# Altium PCB jetson_xavier_nx_board.PcbDoc (part 5 of 6)
Units mil, origin at the board's own origin, x right, y up, seen from the top; angles counter-clockwise.
Board outline 3946.89 x 2559.58 mil, 6 copper layers (TOP, L2_GND, L3_PWR, L4_SIG, L5_GND, BOTTOM), stack 47.2 mil thick; 346 components, 315 nets, 1402 pads, 1004 vias.
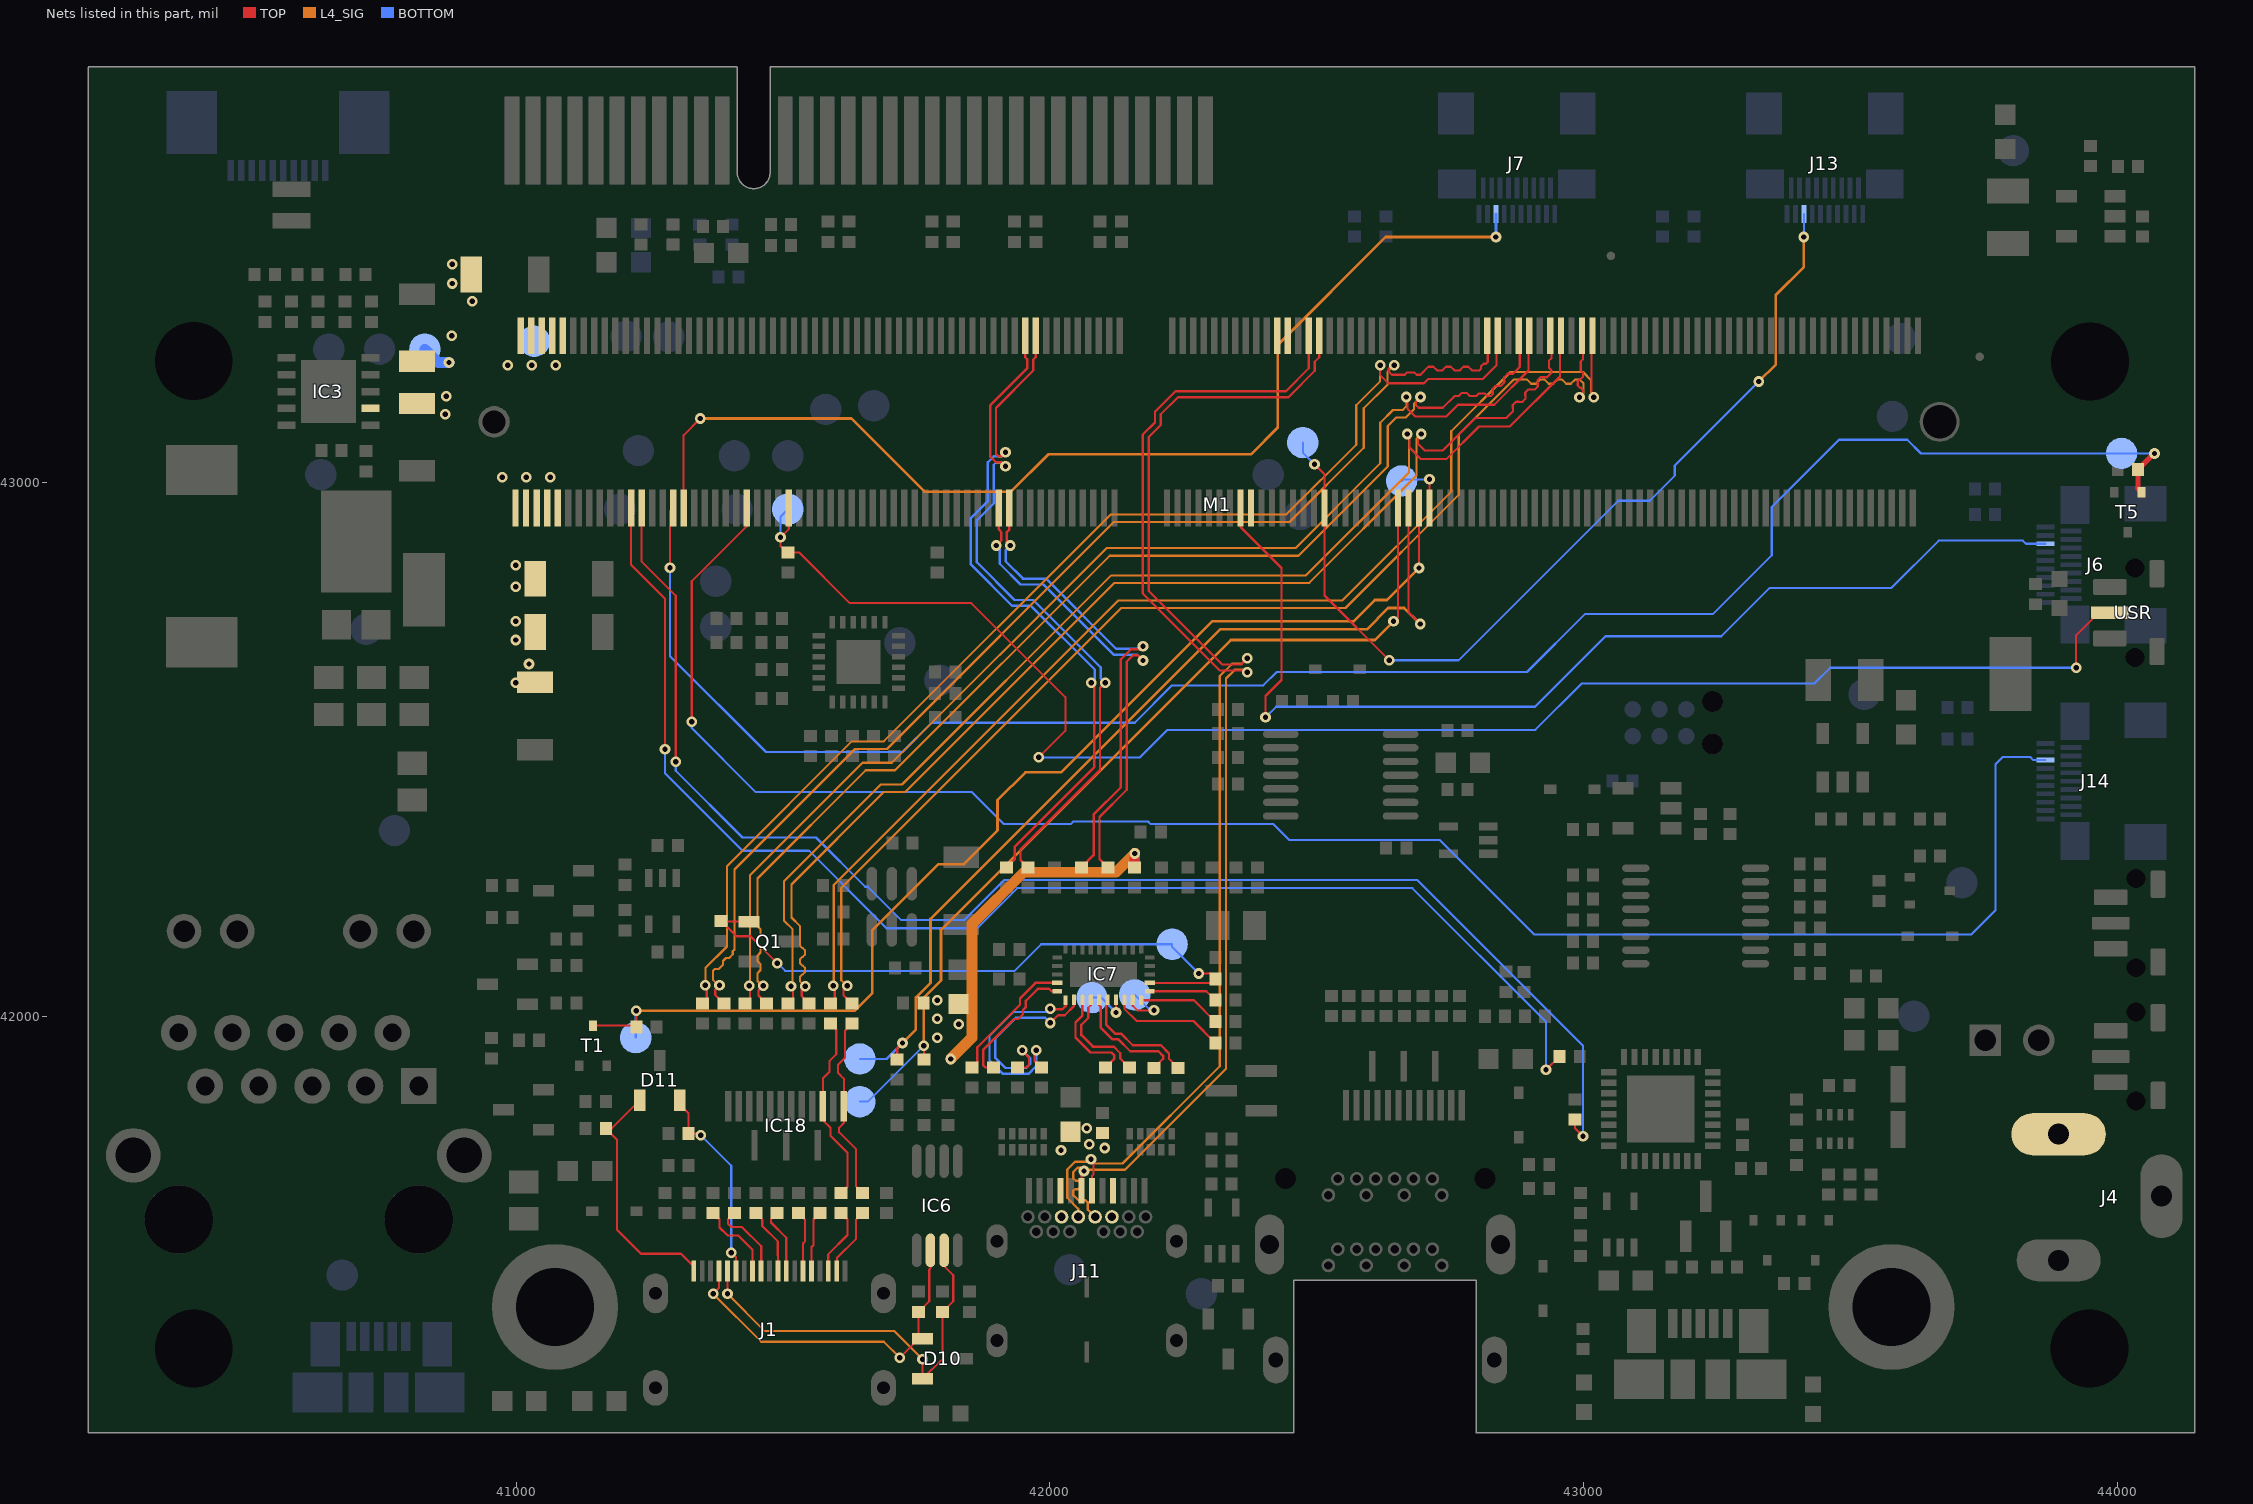
[diagram p9: the nets of this part, all layers, seen from the top]

## Via types
v1: diameter 20, hole 10, TOP to BOTTOM, 999 vias
v2: diameter 23.62, hole 9.84, TOP to BOTTOM, 5 vias

## Nets (pads, with @x,y where several pads share a name; then routed paths per layer and width w, separated by ;. In a path a pad name is that pad's centre, name@x,y a point inside that pad or via, vN(x,y) a via of type N, cw(c..) or ccw(c..) an arc to the next point about the centre after c; other vN are vias at no path point) (continued)
TMDS_C1_D2_N: C74.2 IC18.3 R2.1 | length 356.3
  TOP w4.1: C74.2@41588.82,41986.57 41599.72,41975.67 41599.72,41929.14 41586.72,41916.14 41586.72,41895.89 41574.52,41883.69 IC18.3@41574.52,41831.7 41574.52,41805.77 41588.82,41791.47 41588.82,41776.47 41620.77,41744.52 41620.77,41681.32 R2.1@41608.82,41669.37
TMDS_C1_D2_P: C73.2 IC18.1 R1.1 | length 354.5
  TOP w4: 41604.92,41791.56 41613.89,41800.53 IC18.1@41613.89,41805.06
  TOP w4.1: 41604.92,41791.56 41604.92,41783.14 41636.87,41751.19 41636.87,41681.32 R1.1@41648.82,41669.37 ; IC18.1@41613.89,41805.06 IC18.1@41613.89,41831.7 41613.89,41883.4 41602.82,41894.47 41602.82,41909.47 41615.82,41922.47 41615.82,41973.57 C73.2@41628.82,41986.57
TMDS_CEC: M1.94 TP26.1 | length 107.5
  TOP w4: M1.94@42711.33,42952.76 v1(42711.33,43006.47)
  BOTTOM w4: TP26.1@42658.82,43003.47 42661.82,43006.47 v1(42711.33,43006.47)
TMDS_CEC_IN: D11.2 J1.14 R37.1 | length 375.8
  TOP w4: D11.2@41306.22,41843.07 41306.22,41835.07 41322.72,41818.57 R37.1@41322.72,41780.47 41342.82,41780.47 v1(41345.82,41777.47) ; v1(41402.82,41557.47) 41411.45,41548.84 J1.14@41411.45,41522.68
  BOTTOM w4: v1(41345.82,41777.47) 41402.82,41720.47 v1(41402.82,41557.47)
TMDS_CLK_C_N: J1.12 R10.2 | length 151.3
  TOP w4.1: R10.2@41368.82,41631.57 41380.77,41619.62 41380.77,41604.8 41396.1,41589.47 41416.06,41589.47 41442.82,41562.71 41442.82,41552.19 41442.94,41552.07 J1.12@41442.95,41522.68
TMDS_CLK_C_P: J1.11 R9.2 | length 151.4
  TOP w4.1: R9.2@41408.82,41631.57 41396.87,41619.62 41396.87,41611.47 41402.77,41605.57 41422.73,41605.57 41458.92,41569.38 41458.92,41558.86 41459.04,41558.74 41459.04,41523.03 J1.11@41458.69,41522.68
TMDS_CLK_N: C80.1 M1.81 | length 2265.5
  TOP w4.1: C80.1@41348.82,42024.38 41356.82,42032.38 41356.82,42055.97 v1(41354.32,42058.47) ; v1(42618.62,43220.47) 42618.72,43220.37 42618.72,43201.8 42634.05,43186.47 42700.81,43186.47 42708.71,43194.37 42810.95,43194.37 42836.48,43219.9 42836.48,43272.78 M1.81@42839.29,43275.59
  L4_SIG w4.1: v1(41354.32,42058.47) 41354.32,42090.92 41394.72,42131.32 41394.72,42281.37 41628.82,42515.47 41688.83,42515.47 42113.93,42940.57 42442.93,42940.57 42573.82,43071.46 42573.82,43145.43 42618.62,43190.23 v1(42618.62,43220.47)
TMDS_CLK_P: C78.1 M1.83 | length 2265.8
  TOP w4.1: v1(41380.82,42058.47) 41372.92,42050.57 41372.92,42040.27 C78.1@41388.82,42024.37 ; v1(42645.12,43220.47) 42641.02,43220.47 42634.82,43214.27 42634.82,43208.47 42640.72,43202.57 42664.73,43202.57 42668.63,43206.47 42683.13,43206.47 42687.03,43202.57 42694.14,43202.57 42709.04,43217.47 42718.44,43217.47 42725.44,43210.47 42734.84,43210.47 42741.84,43217.47 42751.24,43217.47 42758.24,43210.47 42767.64,43210.47 42774.64,43217.47 42784.04,43217.47 42791.04,43210.47 42804.28,43210.47 42807.55,43213.74 42807.55,43218.2 42812.59,43223.24 42817.05,43223.24 42820.38,43226.57 42820.38,43274.81 M1.83@42819.6,43275.59
  L4_SIG w4.1: v1(41380.82,42058.47) 41378.82,42058.47 41368.42,42068.87 41368.42,42085.07 41372.18,42088.83 41379.18,42088.83 41387.28,42096.93 41387.28,42103.93 41392.82,42109.47 41398.82,42109.47 41405.78,42116.43 41405.78,42122.43 41408.82,42125.47 41408.82,42275.52 41634.67,42501.37 41694.68,42501.37 42119.78,42926.47 42448.78,42926.47 42587.92,43065.61 42587.92,43139.58 42632.72,43184.38 42632.72,43208.07 v1(42645.12,43220.47)
TMDS_D0_C_N: J1.9 R8.2 | length 126
  TOP w4.1: R8.2@41448.83,41631.57 41461.07,41619.33 41461.07,41607.45 41489.84,41578.68 41489.84,41552.42 41490.19,41552.07 J1.9@41490.19,41522.68
TMDS_D0_C_P: J1.8 R7.2 | length 125.6
  TOP w4.1: R7.2@41488.82,41631.57 41477.17,41619.92 41477.17,41614.12 41505.94,41585.35 J1.8@41505.94,41522.68
TMDS_D0_N: C79.1 M1.75 | length 2258.1
  TOP w4.1: C79.1@41428.82,42024.37 41437.82,42033.37 41437.82,42055.97 v1(41436.32,42057.47) ; v1(42667.87,43160.82) 42669.82,43158.87 42669.82,43138.91 42684.36,43124.37 42742.72,43124.37 42764.72,43146.37 42832.49,43146.37 42896.55,43210.43 42896.55,43273.8 M1.75@42898.34,43275.59
  L4_SIG w4.1: v1(41436.32,42057.47) 41437.82,42058.97 41437.82,42264.47 41648.82,42475.47 41703.83,42475.47 42105.93,42877.57 42459.96,42877.57 42618.82,43036.43 42618.82,43112.47 42642.82,43136.47 42660.87,43136.47 42667.87,43143.47 v1(42667.87,43160.82)
TMDS_D0_P: C76.1 M1.77 | length 2258.7
  TOP w4.1: v1(41462.82,42057.47) 41453.92,42048.57 41453.92,42039.27 C76.1@41468.82,42024.37 ; v1(42694.37,43160.82) 42685.92,43152.37 42685.92,43145.58 42691.03,43140.47 42736.05,43140.47 42758.05,43162.47 42765.52,43162.47 42771.52,43168.47 42780.92,43168.47 42786.92,43162.47 42798.32,43162.47 42803.32,43167.47 42814.72,43167.47 42819.72,43162.47 42825.82,43162.47 42829.82,43166.47 42829.82,43176.47 42834.57,43181.22 42844.57,43181.22 42851.17,43187.82 42851.17,43197.82 42857.77,43204.42 42867.77,43204.42 42880.45,43217.1 42880.45,43273.8 M1.77@42878.66,43275.59
  L4_SIG w4.1: v1(41462.82,42057.47) 41460.82,42057.47 41451.92,42066.37 41451.92,42081.29 41457.82,42087.19 41457.82,42097.69 41451.92,42103.59 41451.92,42114.09 41457.82,42119.99 41457.82,42130.49 41451.92,42136.39 41451.92,42146.89 41457.82,42152.79 41457.82,42163.29 41451.92,42169.19 41451.92,42258.62 41654.67,42461.37 41709.68,42461.37 42111.78,42863.47 42465.81,42863.47 42632.92,43030.58 42632.92,43106.62 42648.67,43122.37 42666.72,43122.37 42681.97,43137.62 42681.97,43148.42 v1(42694.37,43160.82)
TMDS_D1_C_N: J1.6 R4.2 | length 115.3
  TOP w4.1: R4.2@41528.82,41631.57 41540.77,41619.62 41540.77,41578.19 41537.31,41574.73 41537.31,41552.19 41537.43,41552.07 J1.6@41537.43,41522.68
TMDS_D1_C_P: J1.5 R3.2 | length 115.4
  TOP w4.1: J1.5@41553.18,41522.68 41553.18,41552.06 41553.31,41552.19 41553.31,41567.96 41556.87,41571.52 41556.87,41619.62 R3.2@41568.82,41631.57
TMDS_D1_N: C77.1 M1.69 | length 2263.8
  TOP w4.1: C77.1@41508.82,42024.38 41518.72,42034.28 41518.72,42053.07 v1(41514.82,42056.97) ; v1(42669.32,43091.47) 42673.72,43087.07 42673.72,43066 42695.35,43044.37 42742.72,43044.37 42803.82,43105.47 42861.82,43105.47 42955.6,43199.25 42955.6,43273.79 M1.69@42957.4,43275.59
  L4_SIG w4.1: v1(41514.82,42056.97) 41517.82,42059.97 41517.82,42163.48 41501.72,42179.58 41501.72,42253.32 41682.97,42434.57 41722.93,42434.57 42114.93,42826.57 42479.93,42826.57 42672.82,43019.46 42672.82,43087.97 v1(42669.32,43091.47)
TMDS_D1_P: C75.1 M1.71 | length 2262.7
  TOP w4.1: v1(41541.32,42056.97) 41534.82,42050.5 41534.82,42038.37 C75.1@41548.82,42024.37 ; v1(42695.82,43091.47) 42689.82,43085.47 42689.82,43072.67 42702.02,43060.47 42736.05,43060.47 42797.15,43121.57 42855.15,43121.57 42867.6,43134.02 42867.6,43139.82 42867.29,43140.13 42867.28,43145.91 42873.09,43151.72 42878.89,43151.72 42879.2,43151.41 42885,43151.42 42890.8,43157.22 42890.8,43163.02 42890.49,43163.33 42890.48,43169.11 42896.29,43174.92 42902.09,43174.92 42902.4,43174.61 42908.2,43174.62 42914,43180.42 42914,43186.22 42913.69,43186.53 42913.68,43192.31 42919.49,43198.12 42925.29,43198.12 42925.6,43197.81 42931.4,43197.82 42939.5,43205.92 42939.5,43211.46 42934.82,43216.14 42934.82,43228.86 42939.5,43233.54 42939.5,43273.8 M1.71@42937.71,43275.59
  L4_SIG w4.1: v1(41541.32,42056.97) 41540.32,42056.97 41531.92,42065.37 41531.92,42074.78 41536.02,42078.88 41536.72,42078.88 41540.82,42082.98 41540.82,42091.18 41536.72,42095.28 41536.02,42095.28 41531.92,42099.38 41531.92,42107.58 41536.02,42111.68 41536.72,42111.68 41540.82,42115.78 41540.82,42123.98 41536.72,42128.08 41536.02,42128.08 41531.92,42132.18 41531.92,42169.33 41515.82,42185.43 41515.82,42247.47 41688.82,42420.47 41728.78,42420.47 42120.78,42812.47 42485.78,42812.47 42686.92,43013.61 42686.92,43082.57 v1(42695.82,43091.47)
TMDS_D2_C_N: J1.3 R2.2 | length 128.8
  TOP w4.1: J1.3@41584.68,41522.68 41584.68,41554.32 41620.77,41590.41 41620.77,41619.62 R2.2@41608.82,41631.57
TMDS_D2_C_P: J1.2 R1.2 | length 128.9
  TOP w4.1: J1.2@41600.43,41522.68 41600.78,41523.04 41600.78,41547.65 41636.87,41583.74 41636.87,41619.62 R1.2@41648.82,41631.57
TMDS_D2_N: C74.1 M1.63 | length 2268.1
  TOP w4.1: C74.1@41588.82,42024.37 41596.82,42032.37 41596.82,42054.47 v1(41593.82,42057.47) ; M1.63@43016.45,43275.59 43014.71,43273.85 43014.71,43166.76 43014.66,43166.71 43014.66,43164.63 v1(43018.82,43160.47)
  L4_SIG w4.1: v1(41593.82,42057.47) 41594.82,42058.47 41594.82,42246.46 42127.93,42779.57 42547.97,42779.57 42751.82,42983.42 42751.82,43096.46 42862.83,43207.47 42998.66,43207.47 43013.82,43192.31 43013.82,43165.47 v1(43018.82,43160.47)
TMDS_D2_P: C73.1 M1.65 | length 2266.3
  TOP w4.1: v1(41620.32,42057.47) 41612.92,42050.07 41612.92,42040.27 C73.1@41628.82,42024.37 ; v1(42992.32,43160.47) 42998.61,43166.76 42998.61,43174.05 42994.51,43178.15 42992.92,43178.15 42988.82,43182.25 42988.82,43190.45 42992.92,43194.55 42994.51,43194.55 42998.61,43198.65 42998.61,43206.85 42994.51,43210.95 42994.51,43227.35 42998.61,43231.45 42998.61,43273.75 M1.65@42996.77,43275.59
  L4_SIG w4.1: v1(41620.32,42057.47) 41619.32,42057.47 41608.92,42067.87 41608.92,42240.61 42133.78,42765.47 42553.82,42765.47 42765.92,42977.57 42765.92,43090.61 42868.68,43193.37 42894.09,43193.37 42901.99,43185.47 42910.49,43185.47 42918.39,43193.37 42926.89,43193.37 42934.79,43185.47 42943.29,43185.47 42951.19,43193.37 42959.69,43193.37 42967.59,43185.47 42976.09,43185.47 42983.99,43193.37 42992.81,43193.37 42999.72,43186.46 42999.72,43167.87 v1(42992.32,43160.47)
TMDS_HPD: M1.96 R81.2 T1.3 TP25.1 | length 2187.9
  TOP w4: T1.3@41143.82,41982.87 41222.52,41982.87 R81.2@41224.92,41980.47 v1(41224.92,42010.47) ; v1(42691.65,42840.47) M1.96@42691.65,42952.76
  L4_SIG w5: v1(41224.92,42010.47) 41633.82,42010.47 41666.82,42043.47 41666.82,42161.47 41790.82,42285.47 41838.82,42285.47 41901.82,42348.47 41901.82,42405.47 41953.82,42457.47 42020.82,42457.47 42303.82,42740.47 42568.82,42740.47 42608.82,42780.47 42631.65,42780.47 v1(42691.65,42840.47)
  BOTTOM w4: TP25.1@41223.82,41960.47 41223.82,42009.37 v1(41224.92,42010.47)
TMDS_HPD_IN: D11.1 J1.19 R82.1 | length 465.6
  TOP w4: D11.1@41231.42,41843.07 41178.82,41790.47 R82.1@41167.72,41790.47 41188.82,41769.37 41188.82,41600.47 41233.82,41555.47 41308.82,41555.47 41332.71,41531.58 J1.19@41332.71,41522.68
TMDS_SCL: M1.100 R98.2 TP33.1 | length 1723.1
  TOP w4: R98.2@41763.82,41919.37 v1(41763.82,41945.47) ; v1(42643.82,42740.47) 42652.28,42748.93 M1.100@42652.28,42952.76
  L4_SIG w5: v1(41763.82,41945.47) 41763.82,42035.47 41795.82,42067.47 41795.82,42162.47 42338.82,42705.47 42608.82,42705.47 v1(42643.82,42740.47)
  BOTTOM w4: TP33.1@41643.81,41840.47 41658.82,41840.47 v1(41763.82,41945.47)
TMDS_SCL_5V0: D10.2 IC6.7 J1.15 R5.2 | length 767.4
  TOP w4: v1(41395.7,41480.47) J1.15@41395.7,41522.68 ; v1(41761.28,41358.01) D10.2@41761.28,41321.07 41798.82,41358.61 R5.2@41798.82,41446.56 41818.82,41466.56 41818.82,41515.47 41801.32,41532.97 41801.32,41561.51 IC6.7@41801.62,41561.81
  L4_SIG w4.2: v1(41395.7,41480.47) 41465.7,41410.47 41708.82,41410.47 v1(41761.28,41358.01)
TMDS_SDA: M1.98 R99.2 TP34.1 | length 1779.5
  TOP w4: R99.2@41713.82,41919.37 41713.82,41940.47 v1(41723.82,41950.47) ; M1.98@42671.96,42952.76 42671.96,42757.33 v1(42693.82,42735.47)
  L4_SIG w5: v1(41723.82,41950.47) 41748.82,41975.47 41748.82,42035.47 41776.32,42062.97 41776.32,42182.97 42318.82,42725.47 42593.82,42725.47 42633.82,42765.47 42663.82,42765.47 v1(42693.82,42735.47)
  BOTTOM w4: TP34.1@41643.82,41920.47 41693.82,41920.47 v1(41723.82,41950.47)
TMDS_SDA_5V0: D10.1 IC6.6 J1.16 R6.2 | length 681.9
  TOP w4: v1(41368.82,41480.47) 41379.95,41491.6 J1.16@41379.95,41522.68 ; v1(41718.82,41360.47) 41754.22,41395.87 D10.1@41761.28,41395.87 41753.82,41403.33 R6.2@41753.82,41446.56 41773.82,41466.56 41773.82,41525.47 41776.02,41527.67 IC6.6@41776.02,41561.81
  L4_SIG w4.2: v1(41368.82,41480.47) 41458.82,41390.47 41688.82,41390.47 v1(41718.82,41360.47)
UART1_RX: M1.238 R20.2 | length 2555.3
  TOP w4: M1.238@41215.27,42952.76 41215.27,42846.02 41278.82,42782.47 v1(41278.82,42500.47) ; v1(42929.37,41899.92) R20.2@42954.92,41925.47
  BOTTOM w4: v1(41278.82,42500.47) 41278.82,42455.47 41423.82,42310.47 41548.82,42310.47 41693.82,42165.47 41863.82,42165.47 41938.82,42240.47 42678.82,42240.47 42929.37,41989.92 v1(42929.37,41899.92)
UART1_TX: M1.236 R41.2 | length 2701.5
  TOP w4: M1.236@41234.96,42952.76 41234.96,42852.33 41298.82,42788.47 v1(41298.82,42477.47) ; R41.2@42983.82,41806.56 42983.82,41790.47 v1(42998.82,41775.47)
  BOTTOM w4: v1(41298.82,42477.47) 41298.82,42460.46 41423.81,42335.47 41561.49,42335.47 41653.82,42243.14 41658.82,42243.14 41721.49,42180.47 41838.82,42180.47 41913.82,42255.47 42688.83,42255.47 42998.82,41945.48 v1(42998.82,41775.47)
USB1_D_N: J11.A7 J11.B7 M1.115 | length 2307
  TOP w4.2: v1(42076.82,41732.47) 42081.82,41727.47 42081.82,41704.48 42078.77,41701.43 J11.A7@42078.77,41673.67 ; v1(42369.58,42671.41) 42357.84,42659.67 42322.62,42659.67 42185.12,42797.17 42185.12,43085.77 42207.82,43108.47 42207.82,43128.47 42239.82,43160.47 42446.82,43160.47 42496.16,43209.81 42496.16,43226.83 42504.64,43235.31 M1.115@42504.64,43275.59
  L4_SIG w4.3: J11.B7@42053.18,41624.46 42053.18,41639.54 42032.22,41660.5 42032.22,41713.28 42046.96,41728.02 42072.37,41728.02 v1(42076.82,41732.47) 42084.82,41724.47 42135.81,41724.47 42318.22,41906.88 42318.22,42637.88 42341.41,42661.07 42359.24,42661.07 v1(42369.58,42671.41)
USB1_D_P: J11.A6 J11.B6 M1.117 | length 2304.8
  TOP w4.2: J11.A6@42059.08,41673.67 42059.08,41705.73 v1(42063.82,41710.47) ; v1(42369.58,42644.91) 42366.02,42648.47 42317.98,42648.47 42173.92,42792.53 42173.92,43090.41 42196.62,43113.11 42196.62,43133.11 42235.18,43171.67 42442.18,43171.67 42484.96,43214.45 M1.117@42484.96,43275.59
  L4_SIG w4.3: J11.B6@42084.67,41624.46 42071.08,41638.05 42071.08,41651.49 42066.77,41655.8 42053.33,41655.8 42043.82,41665.31 42043.82,41673.38 42046.91,41676.47 42052.82,41676.47 42056.31,41679.96 42056.31,41688.98 42053.26,41692.03 42048.37,41692.03 42043.82,41696.58 42043.82,41708.47 42051.77,41716.42 42057.87,41716.42 v1(42063.82,41710.47) 42066.22,41712.87 42140.62,41712.87 42329.82,41902.07 42329.82,42633.07 42346.22,42649.47 42365.02,42649.47 v1(42369.58,42644.91)
USB2_D_N: M1.121
USB2_D_P: M1.123
USBC_ADDR: IC7.22 TP21.1 | length 80.4
  TOP w4: v1(42123.73,42007.56) IC7.22@42123.73,42031.5
  BOTTOM w4: TP21.1@42078.82,42035.46 42095.83,42035.46 v1(42123.73,42007.56)
USBC_FAULT: IC7.24 TP32.1 | length 102.6
  TOP w4: IC7.24@42155.23,42031.5 42155.23,42020.06 42163.82,42011.47 v1(42194.82,42011.47)
  BOTTOM w4: TP32.1@42158.82,42040.47 42187.82,42011.47 v1(42194.82,42011.47)
USBC_ID: IC7.27 Q1.1 R68.2 R101.1 TP18.1 | length 1193
  TOP w4: R101.1@41383.82,42179.37 R101.1@41385.32,42177.87 ; Q1.1@41436.42,42177.87 R101.1@41385.32,42177.87 ; v1(41489.32,42099.97) 41438.82,42150.47 41412.72,42150.47 R101.1@41385.32,42177.87 ; IC7.27@42186.72,42062.99 42302.44,42062.99 R68.2@42309.93,42070.48 42299.94,42080.47 v1(42278.82,42080.47)
  BOTTOM w4: v1(41489.32,42099.97) 41503.82,42085.47 41933.82,42085.47 41983.82,42135.47 TP18.1@42228.82,42135.47 42228.82,42130.47 v1(42278.82,42080.47)
USBC_INTN: IC7.23 R67.1 | length 213.8
  TOP w4: IC7.23@42139.48,42031.5 42139.48,42014.81 42162.82,41991.47 42268.9,41991.47 R67.1@42309.91,41950.46
USBC_SCL: IC7.26 R70.2 | length 130.2
  TOP w4: IC7.26@42186.72,42047.24 42293.16,42047.24 R70.2@42309.93,42030.47
USBC_SDA: IC7.25 R69.2 | length 155.5
  TOP w4: IC7.25@42170.98,42030.51 42269.89,42030.51 R69.2@42309.93,41990.47
USBC_VBUS: C35.2 J11.A4 J11.A9 J11.B4 J11.B9 L2.2 R42.2 R51.2 R131.2 | length 655.3
  TOP w20: R51.2@42158.82,42279.38 v1(42158.82,42305.47)
  L4_SIG w20: v1(41813.82,41920.47) 41853.82,41960.47 41853.82,42173.47 41950.82,42270.47 42123.82,42270.47 v1(42158.82,42305.47)
  other v1: 42020.82,41749.47 42102.82,41753.47 42073.82,41760.47 42068.82,41790.47 41788.82,41960.47 41828.82,41985.47 41788.82,41995.47 41788.82,42030.47
USBSS_RX1_N: IC7.14 R104.1 | length 248.6
  TOP w4.5: R104.1@41853.82,41904.36 41863.82,41914.36 41863.82,41942.03 41943.82,42022.03 41943.82,42034.03 41972.78,42062.99 IC7.14@42013.5,42062.99
USBSS_RX1_P: IC7.15 R106.1 | length 249.3
  TOP w4.5: R106.1@41893.82,41904.36 41879.32,41904.36 41874.82,41908.86 41874.82,41937.47 41932.74,41995.39 41940.74,41995.39 41949.47,42004.12 41949.47,42012.12 41954.82,42017.47 41954.82,42029.47 41977.34,42051.99 41998.3,42051.99 42003.05,42047.24 IC7.15@42013.5,42047.24
USBSS_RX2_N: IC7.18 R109.1 | length 192.8
  TOP w4.5: IC7.18@42060.74,42031.5 42060.74,42001.95 42047.82,41989.03 42047.82,41960.47 42075.82,41932.47 42115.06,41932.47 42120.82,41926.71 42120.82,41921.36 R109.1@42103.82,41904.36
USBSS_RX2_P: IC7.19 R110.1 | length 194.7
  TOP w4.5: IC7.19@42076.49,42031.5 42076.49,42021.13 42071.74,42016.38 42071.74,41997.39 42058.82,41984.47 42058.82,41965.03 42080.38,41943.47 42119.62,41943.47 42131.82,41931.27 42131.82,41921.36 R110.1@42148.82,41904.36
USBSS_RX6_N: M1.161 R108.1 | length 1278.1
  TOP w4.5: v1(41916.82,43057.22) 41909.07,43049.47 41903.32,43049.47 41898.82,43053.97 41898.82,43140.46 41968.8,43210.44 41968.8,43230.97 41973.14,43235.31 M1.161@41973.15,43275.59 ; R108.1@41918.82,42279.37 41933.82,42294.37 41933.82,42317.47 42082.82,42466.47 42082.82,42619.97 v1(42077.32,42625.47)
  BOTTOM w4.5: v1(41916.82,43057.22) 41909.07,43049.47 41894.76,43049.47 41883.82,43038.53 41883.82,42966.03 41851.82,42934.03 41851.82,42846.91 41929.26,42769.47 41964.26,42769.47 42083.82,42649.91 42083.82,42631.97 v1(42077.32,42625.47)
USBSS_RX6_P: M1.163 R107.1 | length 1280.6
  TOP w4.5: v1(41916.82,43030.72) 41909.07,43038.47 41898.76,43038.47 41887.82,43049.41 41887.82,43145.02 41957.8,43215 41957.8,43230.97 41953.46,43235.31 M1.163@41953.46,43275.59 ; R107.1@41958.82,42279.36 41944.82,42293.36 41944.82,42312.91 42093.82,42461.91 42093.82,42615.47 v1(42103.82,42625.47)
  BOTTOM w4.5: v1(41916.82,43030.72) 41909.07,43038.47 41899.32,43038.47 41894.82,43033.97 41894.82,42961.47 41862.82,42929.47 41862.82,42851.47 41933.82,42780.47 41968.82,42780.47 42094.82,42654.47 42094.82,42634.47 v1(42103.82,42625.47)
USBSS_TX1_N: C48.2 IC7.16 | length 395.1
  TOP w4.5: v1(41974.32,41936.47) 41971.82,41933.97 41971.82,41916.37 C48.2@41983.82,41904.37 ; v1(42000.82,42014.47) 42001.82,42013.47 42023.26,42013.47 42029.24,42019.45 IC7.16@42029.24,42030.51
  BOTTOM w4.5: v1(41974.32,41936.47) 41974.32,41906.92 41959.87,41892.47 41912.26,41892.47 41886.82,41917.91 41886.82,41964.03 41931.26,42008.47 41994.82,42008.47 v1(42000.82,42014.47)
USBSS_TX1_P: C50.2 IC7.17 | length 393.8
  TOP w4.5: C50.2@41938.82,41904.37 41956.32,41904.37 41960.82,41908.87 41960.82,41923.47 v1(41947.82,41936.47) ; v1(42000.82,41987.97) 42015.32,42002.47 42027.82,42002.47 42044.99,42019.64 IC7.17@42044.99,42031.5
  BOTTOM w4.5: v1(41947.82,41936.47) 41963.32,41920.97 41963.32,41911.48 41955.31,41903.47 41916.82,41903.47 41897.82,41922.47 41897.82,41959.47 41935.82,41997.47 41991.32,41997.47 v1(42000.82,41987.97)
USBSS_TX2_N: C53.2 IC7.20 | length 221.6
  TOP w4.5: IC7.20@42092.24,42031.5 42092.24,42021.05 42094.82,42018.47 42094.82,41979.62 42117.44,41957 42128.44,41957 42150.44,41935 42203.25,41935 42212,41926.25 42212,41920.9 C53.2@42195,41903.9
USBSS_TX2_P: C54.2 IC7.21 | length 221.5
  TOP w4.5: IC7.21@42107.98,42031.5 42107.98,42022.63 42105.82,42020.47 42105.82,41984.18 42122,41968 42133,41968 42155,41946 42207.81,41946 42223,41930.81 42223,41920.9 C54.2@42240,41903.9
USBSS_TX6_N: M1.166 R105.1 | length 907.7
  TOP w4.5: M1.166@41923.93,42952.76 41923.93,42912.48 41919.34,42907.89 41919.34,42888.95 v1(41925.82,42882.47) ; R105.1@42058.82,42279.36 42081.82,42302.36 42081.82,42378.47 42132.82,42429.47 42132.82,42669.47 42151.32,42687.97 42168.64,42687.97 v1(42174.32,42693.65)
  BOTTOM w4.5: v1(41925.82,42882.47) 41916.82,42873.47 41916.82,42853.03 41949.38,42820.47 41992.32,42820.47 42123.82,42688.97 42169.64,42688.97 v1(42174.32,42693.65)
USBSS_TX6_P: M1.168 R103.1 | length 909.3
  TOP w4.5: v1(41899.32,42882.47) 41908.84,42891.99 41908.84,42907.89 41904.25,42912.48 M1.168@41904.25,42952.76 ; R103.1@42108.82,42279.36 42092.82,42295.36 42092.82,42373.91 42143.82,42424.91 42143.82,42664.91 42155.88,42676.97 42164.5,42676.97 v1(42174.32,42667.15)
  BOTTOM w4.5: v1(41899.32,42882.47) 41905.82,42875.97 41905.82,42848.47 41944.82,42809.47 41987.76,42809.47 42119.26,42677.97 42163.51,42677.97 v1(42174.32,42667.15)
USR_BUTTON: M1.208 R112.1 TP36.1 USR.2 | length 3078.5
  TOP w4: M1.208@41510.55,42952.76 41510.55,42913.21 v1(41495.26,42897.92) 41495.26,42881.04 41506.94,42869.36 41529.93,42869.36 41624.82,42774.47 41852.82,42774.47 42028.82,42598.47 42028.82,42535.47 v1(41978.82,42485.47) ; v1(43922.82,42653.54) 43922.82,42714.47 43964.97,42756.62 USR.2@43988.78,42756.62
  BOTTOM w4: v1(41495.26,42897.92) 41495.26,42936.91 TP36.1@41508.82,42950.47 ; v1(41978.82,42485.47) 42168.82,42485.47 42220.32,42536.97 42909.32,42536.97 42996.37,42624.02 43432.37,42624.02 43461.89,42653.54 v1(43922.82,42653.54)
USR_LED: M1.230 R113.1 T5.1 TP35.1 | length 3531.2
  TOP w4: v1(41288.01,42840.66) 41288.01,42946.76 M1.230@41294.01,42952.76
  TOP w10: T5.1@44045.28,42982.28 44038.59,42988.97 R113.1@44038.59,43024.88 44068.59,43054.88 v1(44069.69,43054.88)
  BOTTOM w4: v1(41288.01,42840.66) 41288.01,42675.27 41467.81,42495.47 41723.82,42495.47 41778.82,42550.47 42158.82,42550.47 42228.82,42620.47 42399.82,42620.47 42424.82,42645.47 42893.82,42645.47 43002.29,42753.94 43242.13,42753.94 43352.36,42864.17 43352.36,42954.72 43478.35,43080.71 43606.3,43080.71 43632.12,43054.88 v1(44069.69,43054.88)
VDD_MOD: C10.2 C11.2 F1.2 M1.251 M1.252 M1.253 M1.254 M1.255 M1.256 M1.257 M1.258 M1.259 M1.260 TP38.1
  other v1: 40998.82,42625.47 41023.82,42660.47 40998.82,42705.47 40998.82,42740.47 40998.82,42805.47 40998.82,42845.47 40973.82,43010.47 41018.82,43010.47 41063.82,43010.47 40983.82,43220.47 41028.82,43220.47 41073.82,43220.47
VIN: C21.2 C22.2 C23.2 IC3.2 J4.1 TP16.1 | length 55.3
  BOTTOM w20: TP16.1@40828.83,43250.47 40853.83,43225.47 v1(40873.82,43225.47)
  other v1: 40866.82,43128.47 40868.82,43162.47 40878.82,43275.47 40917.82,43340.47 40879.82,43373.47 40879.82,43409.47
VSYNC_CAM1_1: J7.15 M1.228 | length 2059.5
  TOP w4: M1.228@41313.7,42952.76 41313.7,43089.35 v1(41344.82,43120.47)
  L4_SIG w5: v1(41344.82,43120.47) 41627.82,43120.47 41764.82,42983.47 41926.82,42983.47 41996.82,43053.47 42376.37,43053.47 42426.82,43103.92 42426.82,43258.47 42628.98,43460.63 v1(42835.63,43460.63)
  BOTTOM w5: v1(42835.63,43460.63) J7.15@42835.63,43503.78
VSYNC_CAM1_2: J14.15 M1.216 | length 3456.2
  TOP w4: v1(41328.82,42552.47) 41328.82,42815.48 41431.81,42918.47 M1.216@41431.81,42952.76
  BOTTOM w4: v1(41328.82,42552.47) 41328.82,42540.47 41448.82,42420.47 41853.82,42420.47 41913.82,42360.47 42038.82,42360.47 42043.82,42365.47 42183.82,42365.47 42188.82,42360.47 42418.82,42360.47 42448.82,42330.47 42730.82,42330.47 42907.75,42153.54 43726.38,42153.54 43771.65,42198.82 43771.65,42472.44 43785.43,42486.22 43836.61,42486.22 43842.52,42480.31 J14.15@43865.16,42480.31
VSYNC_CAM2_1: J13.15 M1.114 TP8.1 | length 1743.9
  TOP w4: v1(42495.82,43034.47) 42514.48,43015.81 42514.48,42788.81 v1(42635.82,42667.47)
  L4_SIG w5: v1(43328.03,43189.68) 43360.24,43221.89 43360.24,43352.36 43412.63,43404.76 v1(43412.63,43460.63)
  BOTTOM w4: TP8.1@42473.82,43075.47 42473.82,43056.47 v1(42495.82,43034.47) ; v1(42635.82,42667.47) 42765.82,42667.47 43064.82,42966.47 43123.82,42966.47 43170.82,43013.47 43170.82,43032.47 v1(43328.03,43189.68) ; v1(43412.63,43460.63) J13.15@43412.63,43503.78
VSYNC_CAM2_2: J6.15 M1.130 | length 2037.5
  TOP w4: M1.130@42357,42952.76 42357,42917.29 42433.82,42840.47 42433.82,42630.47 42403.82,42600.47 v1(42403.82,42560.47)
  BOTTOM w4: v1(42403.82,42560.47) 42423.82,42580.47 42908.82,42580.47 43040.95,42712.6 43257.87,42712.6 43348.43,42803.15 43576.77,42803.15 43665.35,42891.73 43822.83,42891.73 43828.74,42885.83 J6.15@43865.16,42885.83
W_DISABLE1_CTRL: M1.128
pads on no net: D12.1 IC1.12 IC1.13 IC1.14 IC1.15 IC1.16 IC1.17 IC2.14 IC4.4 IC5.3 IC5.5 IC5.6 IC5.7 IC5.8 IC5.9 IC5.10 IC5.11 IC5.12 IC5.13 IC5.18 IC5.21 IC5.22 IC5.23 IC5.25 IC5.27 IC5.28 IC5.29 IC5.31 IC5.32 IC10.4 IC10.8 IC15.4 IC18.14 J1.17 J2.M J3. J6.2 J6.3 J6.5 J7.2 J7.3 J7.5 J9.4 J10.M J11. J11.A8 J12.A01 J12.A02 J12.A03 J12.A05 J12.A06 J12.A07 J12.A08 J12.A19 J12.A32 J12.B01 J12.B02 J12.B03 J12.B05 J12.B06 J12.B09 J12.B12 J12.B17 J12.B30 J12.B31 J13.2 J13.3 J13.5 J14.2 J14.3 J14.5 M1.3 M1.5 M1.15 M1.17 M1.21 M1.23 M1.27 M1.29 M1.33 M1.35 M1.40 M1.42 M1.64 M1.66 M1.89 M1.91 M1.93 M1.95 M1.97 M1.99 M1.101 M1.103 M1.104 M1.105 M1.106 M1.108 M1.110 M1.112 M1.116 M1.122 M1.143 M1.145 M1.189 M1.191 M1.193 M1.195 M1.197 M1.199 M1.203 M1.205 M1.207 M1.209 M1.210 M1.219 M1.220 M1.221 M1.222 M1.223 M1.224 M1.225 M1.226 M1.227 M1.229 M1.232 M1.234 M1.M REC.10 REC.11 RST.10 RST.11 TP30.M USR.10 USR.11

## Polygon pours and split planes (outlines as drawn)
NETIC10_6 on TOP "TOP-NETIC10_6" (solid, remove dead copper, pour order 152): 24 vertices, not listed, extent 43475.82,41752.47 43619.82,41826.47
3V3_HDMI2 on TOP "TOP-3V3_FFC2" (solid, remove dead copper, pour order 148): 43920.12,43512.48 43730.12,43512.48 43707.12,43535.48 43707.12,43638.48 43716.12,43647.48 43860.12,43647.48 43925.12,43582.48 43925.12,43517.48 43920.12,43512.48
1V8_SYS on TOP "TOP-1V8_SYS" (solid, remove dead copper, pour order 142): 44 vertices, not listed, extent 41288.82,42080.47 41353.82,42195.47
USBC_VBUS on TOP "TOP-USBC_VBUS 1" (solid, remove dead copper, pour order 140): 157 vertices, not listed, extent 42006.82,41611.47 42128.82,41803.47
USBC_VBUS on TOP "TOP-USBC_VBUS" (solid, remove dead copper, pour order 138): 34 vertices, not listed, extent 41748.82,41950.47 41858.82,42045.47
5V0_DBG on TOP "TOP-5V0_DBG" (solid, remove dead copper, pour order 134): 42901.82,41549.47 42917.82,41565.47 43003.82,41565.47 43023.82,41585.47 43048.82,41585.47 43050.82,41583.47 43050.82,41544.47 43066.82,41528.47 43066.82,41487.47 43062.82,41483.47 42915.82,41483.47 42901.82,41497.47 42901.82,41549.47
GND on TOP "TOP-GND 14" (solid, remove dead copper, pour order 132): 96 vertices, not listed, extent 40226.82,43125.47 40916.82,43751.47
GND on TOP "TOP-GND 13" (solid, remove dead copper, pour order 126): 60 vertices, not listed, extent 41414.82,42215.47 41878.82,42437.47
GND on TOP "TOP-GND 12" (solid, remove dead copper, pour order 124): 23 vertices, not listed, extent 41229.82,42083.47 41280.82,42366.47
GND on TOP "TOP-GND 11" (solid, remove dead copper, pour order 122): 41193.82,41495.47 41193.82,41390.47 41143.82,41340.47 41008.82,41340.47 40948.82,41400.47 40948.82,41620.47 40968.82,41640.47 41048.82,41640.47 41193.82,41495.47
GND on TOP "TOP-GND 10" (solid, remove dead copper, pour order 120): 40593.82,42640.47 40593.82,42750.47 40603.82,42760.47 40763.82,42760.47 40778.82,42775.47 40778.82,43050.47 40788.82,43060.47 40903.82,43060.47 40918.82,43045.47 40918.82,42630.47 40898.82,42610.47 40623.82,42610.47 40593.82,42640.47
GND on TOP "TOP-GND 7" (solid, remove dead copper, pour order 114): 42 vertices, not listed, extent 42812.82,41244.47 43014.82,41738.47
GND on TOP "TOP-GND 6" (solid, remove dead copper, pour order 112): 40234.82,42521.47 40259.82,42546.47 40462.82,42546.47 40581.82,42427.47 40632.82,42427.47 40645.82,42414.47 40645.82,42286.47 40628.82,42269.47 40530.82,42269.47 40476.82,42215.47 40255.82,42215.47 40234.82,42236.47 40234.82,42521.47
GND on TOP "TOP-GND 5" (solid, remove dead copper, pour order 110): 87 vertices, not listed, extent 42400.82,42051.47 42801.82,42382.47
GND on TOP "TOP-GND 3" (solid, remove dead copper, pour order 106): 254 vertices, not listed, extent 42867.82,42560.47 43267.82,42911.47
GND on TOP "TOP-GND 2" (solid, remove dead copper, pour order 104): 223 vertices, not listed, extent 41849.82,42505.47 42328.82,42911.47
GND on TOP "TOP-GND 1" (solid, remove dead copper, pour order 94): 45 vertices, not listed, extent 41093.84,42654.47 41205.82,43357.47
GND on TOP "TOP-GND" (solid, remove dead copper, pour order 92): 40983.82,43440.47 40998.82,43455.47 41088.82,43455.47 41098.82,43445.47 41098.82,43365.47 41083.82,43350.47 41003.82,43350.47 40983.82,43370.47 40983.82,43440.47
SHIELD on TOP "TOP-SHIELD" (solid, remove dead copper, pour order 80): 18 vertices, not listed, extent 43056.82,41281.47 43379.82,41460.47
VDD_MOD on TOP "TOP-VDD_MOD" (solid, remove dead copper, pour order 78): 103 vertices, not listed, extent 40943.82,42600.47 41093.82,43330.47
HDMI_SHIELD on TOP "TOP-HDMI_SHIELD" (solid, remove dead copper, pour order 74): 23 vertices, not listed, extent 41168.82,41250.47 41718.82,41525.47
NETJ9_1 on TOP "TOP-NETJ9_1" (solid, remove dead copper, pour order 70): 43090.82,41523.47 43092.82,41525.47 43133.82,41525.47 43175.82,41483.47 43175.82,41401.47 43174.82,41400.47 43158.82,41400.47 43157.82,41401.47 43157.82,41454.47 43140.82,41471.47 43100.82,41471.47 43090.82,41481.47 43090.82,41523.47
3V3_SYS on TOP "TOP-3V3_SYS 1" (solid, remove dead copper, pour order 66): 43633.82,42105.47 43648.82,42090.47 43648.82,41850.47 43636.82,41838.47 43565.82,41838.47 43556.82,41847.47 43556.82,41920.47 43543.82,41933.47 43543.82,42046.47 43535.82,42054.47 43535.82,42088.47 43536.32,42088.97 43536.32,42097.97 43543.82,42105.47 43633.82,42105.47
3V3_SYS on TOP "TOP-3V3_SYS" (solid, remove dead copper, pour order 58): 24 vertices, not listed, extent 41109.82,43458.47 41327.82,43723.47
5V0_SYS on TOP "TOP-5V0_SYS 5" (solid, remove dead copper, pour order 52): 42888.82,41460.47 42898.82,41470.47 42998.82,41470.47 43013.82,41455.47 43013.82,41405.47 43008.82,41400.47 42898.82,41400.47 42888.82,41410.47 42888.82,41460.47
5V0_SYS on TOP "TOP-5V0_SYS 4" (solid, remove dead copper, pour order 50): 17 vertices, not listed, extent 43313.82,41800.47 43473.82,41920.47
5V0_SYS on TOP "TOP-5V0_SYS 3" (solid, remove dead copper, pour order 48): 22 vertices, not listed, extent 43970.12,43387.48 44070.12,43477.48
5V0_SYS on TOP "TOP-5V0_SYS 2" (solid, remove dead copper, pour order 46): 24 vertices, not listed, extent 41673.42,41980.47 41738.82,42070.47
5V0_SYS on TOP "TOP-5V0_SYS 1" (solid, remove dead copper, pour order 44): 41783.82,42350.47 41783.82,42270.47 41788.82,42265.47 41813.82,42265.47 41818.82,42260.47 41818.82,42230.47 41803.82,42215.47 41738.82,42215.47 41728.82,42225.47 41728.82,42350.47 41733.82,42355.47 41778.82,42355.47 41783.82,42350.47
5V0_SYS on TOP "TOP-5V0_SYS" (solid, remove dead copper, pour order 42): 238 vertices, not listed, extent 40678.82,42235.47 41378.82,42525.47
VIN on TOP "TOP-VIN" (solid, remove dead copper, pour order 36): 67 vertices, not listed, extent 40708.82,43085.47 40953.82,43450.47
EGND on TOP "TOP-EGND" (solid, remove dead copper, pour order 26): 52 vertices, not listed, extent 40223.82,41255.47 41045.82,41788.47
NETC19_2 on TOP "TOP-NETC19_2" (solid, remove dead copper, pour order 22): 28 vertices, not listed, extent 40288.82,42788.47 40762.82,43147.47
NETIC8_6 on TOP "TOP-NETIC8_6" (solid, remove dead copper, pour order 20): 41 vertices, not listed, extent 43750.12,43397.48 43925.12,43482.48
NETIC9_6 on TOP "TOP-NETIC9_6" (solid, remove dead copper, pour order 18): 43468.82,42666.47 43468.82,42510.47 43458.82,42500.47 43408.82,42500.47 43398.82,42510.47 43398.82,42655.47 43413.82,42670.47 43464.82,42670.47 43468.82,42666.47
NETC62_2 on TOP "TOP-NETC62_2" (solid, remove dead copper, pour order 16): 41083.82,41920.47 41038.82,41920.47 41028.82,41930.47 41028.82,41970.47 40993.82,42005.47 40993.82,42115.47 40998.82,42120.47 41078.82,42120.47 41088.82,42110.47 41088.82,41925.47 41083.82,41920.47
NETQ2_1 on TOP "TOP-NETQ2_1" (solid, remove dead copper, pour order 12): 41098.84,42080.47 41098.84,42114.62 41098.82,42114.63 41098.82,42205.47 41103.82,42210.47 41158.82,42210.47 41168.82,42200.47 41168.82,42085.47 41163.82,42080.47 41098.84,42080.47
OTG_USB_VBUS on TOP "TOP-OTG_USB_VBUS 1" (solid, remove dead copper, pour order 10): 41028.82,42225.47 41018.82,42235.47 41018.82,42330.47 41023.82,42335.47 41088.82,42335.47 41093.82,42330.47 41093.82,42240.47 41078.82,42225.47 41028.82,42225.47
OTG_USB_VBUS on TOP "TOP-OTG_USB_VBUS" (solid, remove dead copper, pour order 8): 21 vertices, not listed, extent 42745.82,43240.47 42786.82,43385.45
NETC16_2 on TOP "TOP-NETC16_2" (solid, remove dead copper, pour order 6): 40253.82,42750.47 40283.82,42780.47 40518.82,42780.47 40578.82,42720.47 40578.82,42630.47 40618.82,42590.47 40853.82,42590.47 40863.82,42580.47 40863.82,42470.47 40843.82,42450.47 40608.82,42450.47 40483.82,42575.47 40308.82,42575.47 40253.82,42630.47 40253.82,42750.47
NETC31_2 on TOP "TOP-NETC31_2" (solid, remove dead copper, pour order 2): 41868.82,42190.47 41868.82,42080.47 41858.82,42070.47 41798.82,42070.47 41788.82,42080.47 41788.82,42110.47 41778.82,42120.47 41733.82,42120.47 41728.82,42125.47 41728.82,42190.47 41733.82,42195.47 41863.82,42195.47 41868.82,42190.47
GND on TOP "TOP-GND 8" (solid, remove dead copper, pour order 116): 38 vertices, not listed, extent 41878.82,41244.47 42435.82,41622.47
3V3_HDMI1 on TOP "Top Layer-No Net" (solid, remove dead copper, pour order 1000): 20 vertices, not listed, extent 43500,42501.97 43631.89,42673.23
GND on TOP "TOP-GND 4" (solid, remove dead copper, pour order 108): 556 vertices, not listed, extent 42212.82,41809.49 44121.82,43756.47
GND on TOP "TOP-GND 9" (solid, remove dead copper, pour order 118): 36 vertices, not listed, extent 43470.82,41244.47 44120.82,42319.47
SHIELD_OTG on BOTTOM "BOTTOM-SHIELD_OTG" (solid, remove dead copper, pour order 150): 20 vertices, not listed, extent 40548.82,41250.47 40988.82,41430.47
3V3_HDMI2 on BOTTOM "BOTTOM-3V3_FFC2 1" (solid, remove dead copper, pour order 146): 43690.12,43632.48 43720.12,43662.48 43835.12,43662.48 43845.12,43652.48 43845.12,43537.48 43830.12,43522.48 43705.12,43522.48 43690.12,43537.48 43690.12,43632.48
USBC_VBUS on BOTTOM "BOTTOM-USBC_VBUS" (solid, remove dead copper, pour order 136): 327 vertices, not listed, extent 41743.82,41685.47 42118.82,42040.47
GND on BOTTOM "BOTTOM-GND 6" (solid, remove dead copper, pour order 130): 710 vertices, not listed, extent 40223.82,41249.47 41662.82,42553.47
GND on BOTTOM "BOTTOM-GND 4" (solid, remove dead copper, pour order 102): 697 vertices, not listed, extent 40223.82,42616.47 41193.82,43752.47
GND on BOTTOM "BOTTOM-GND 2" (solid, remove dead copper, pour order 98): 126 vertices, not listed, extent 42292.17,41476.65 42446.15,41718.47
GND on BOTTOM "BOTTOM-GND 1" (solid, remove dead copper, pour order 96): 29 vertices, not listed, extent 42402.82,41780.47 42841.82,42204.47
VDD_MOD on BOTTOM "BOTTOM-VDD_MOD" (solid, remove dead copper, pour order 76): 103 vertices, not listed, extent 40943.82,42600.47 41093.82,43330.47
HDMI_SHIELD on BOTTOM "BOTTOM-HDMI_SHIELD" (solid, remove dead copper, pour order 72): 21 vertices, not listed, extent 41226.82,41250.47 41718.82,41525.47
3V3_SYS on BOTTOM "BOTTOM-3V3_SYS 2" (solid, remove dead copper, pour order 60): 127 vertices, not listed, extent 42008.82,41835.47 42493.82,42029
3V3_SYS on BOTTOM "BOTTOM-3V3_SYS 1" (solid, remove dead copper, pour order 56): 58 vertices, not listed, extent 41136.82,43457.47 41358.82,43723.47
3V3_SYS on BOTTOM "BOTTOM-3V3_SYS" (solid, remove dead copper, pour order 54): 40382.82,43594.47 40395.82,43607.47 40467.82,43607.47 40469.82,43605.47 40469.82,43561.47 40450.82,43542.47 40395.82,43542.47 40382.82,43555.47 40382.82,43594.47
EGND on BOTTOM "BOTTOM-EGND" (solid, remove dead copper, pour order 24): 34 vertices, not listed, extent 40233.82,41257.47 40950.82,41820.47
NETC62_2 on BOTTOM "BOTTOM-NETC62_2" (solid, remove dead copper, pour order 14): 235 vertices, not listed, extent 40783.82,41370.47 41163.82,42005.47
NETC16_2 on BOTTOM "BOTTOM-NETC16_2" (solid, remove dead copper, pour order 4): 40253.82,42750.47 40283.82,42780.47 40518.82,42780.47 40578.82,42720.47 40578.82,42630.47 40618.82,42590.47 40853.82,42590.47 40863.82,42580.47 40863.82,42470.47 40843.82,42450.47 40608.82,42450.47 40483.82,42575.47 40308.82,42575.47 40253.82,42630.47 40253.82,42750.47
GND on BOTTOM "BOTTOM-GND 5" (solid, remove dead copper, pour order 128): 539 vertices, not listed, extent 41988.82,42691.47 44122.82,43757.47
GND on BOTTOM "BOTTOM-GND 3" (solid, remove dead copper, pour order 100): 1491 vertices, not listed, extent 41439.81,41245.47 44120.82,42428.47
5V0_SYS on BOTTOM "BOTTOM-5V0_SYS" (solid, remove dead copper, pour order 40): 380 vertices, not listed, extent 43303.82,42268.47 44113.82,42675.47
GND on BOTTOM "BOTTOM-GND" (solid, remove dead copper, pour order 90): 614 vertices, not listed, extent 41118.82,42510.47 41941.82,43462.47
3V3_SYS on L4_SIG "L4_SIG-3V3_SYS 1" (solid, remove dead copper, pour order 64): 1065 vertices, not listed, extent 42428.82,41870.47 43663.82,43074.47
3V3_SYS on L4_SIG "L4_SIG-3V3_SYS" (solid, remove dead copper, pour order 62): 241 vertices, not listed, extent 41723.82,41785.47 42068.82,42240.47
5V0_SYS on L4_SIG "Top Layer-No Net" (solid, remove dead copper, pour order 1001): 43312.99,41907.48 43322.83,41917.32 43389.76,41917.32 43458.66,41917.32 43472.44,41903.54 43472.44,41870.08 43472.44,41864.17 43458.66,41850.39 43378.82,41850.39 43324.8,41850.39 43312.99,41862.2
GND on L4_SIG "L4_SIG-GND" (solid, remove dead copper, pour order 88): 1410 vertices, not listed, extent 40223.82,41241.47 44121.82,43756.47
no net on OUTLINE (solid, remove dead copper): 37674.43,43203.1 37649.82,43242.47 37625.21,43203.1 37674.43,43203.1
no net on OUTLINE (solid, remove dead copper): 37625.21,42921.84 37649.82,42882.47 37674.43,42921.84 37625.21,42921.84
no net on OUTLINE (solid, remove dead copper): 38032.75,43331.07 38008.72,43291.35 38054.95,43287.16 38032.75,43331.07
no net on OUTLINE (solid, remove dead copper): 38615.21,43131.84 38639.82,43092.47 38664.43,43131.84 38615.21,43131.84
no net on OUTLINE (solid, remove dead copper): 38664.43,42993.1 38639.82,43032.47 38615.21,42993.1 38664.43,42993.1
no net on OUTLINE (solid, remove dead copper): 38189.19,42817.08 38149.82,42792.47 38189.19,42767.86 38189.19,42817.08
no net on OUTLINE (solid, remove dead copper): 38050.45,42767.86 38089.82,42792.47 38050.45,42817.08 38050.45,42767.86
no net on OUTLINE (solid, remove dead copper): 38326.89,43331.07 38350.92,43291.35 38304.69,43287.16 38326.89,43331.07
GND on L2_GND (split plane): 120 vertices, not listed, extent 40218.39,41240.08 44125.08,43759.46
GND on L3_PWR (split plane): 326 vertices, not listed, extent 40218.39,41240.08 44125.08,43759.46
5V0_SYS on L3_PWR (split plane): 70 vertices, not listed, extent 40690.1,41377.1 43536.9,42600.9
VIN on L3_PWR (split plane): 77 vertices, not listed, extent 40793.1,41696.1 43986.9,43514.9
3V3_SYS on L3_PWR (split plane): 26 vertices, not listed, extent 41103.1,42874.1 43562.9,43566.52
5V0_SYS on L3_PWR (split plane): 67 vertices, not listed, extent 43744.1,42098.84 44125.08,43460.22
3V3_HDMI2 on L3_PWR (split plane): 43792.9,43611.75 43792.9,43506.36 43761.36,43474.82 42492.58,43474.82 42455.14,43512.26 42455.14,43607.82 42488.64,43641.32 43763.33,43641.32
3V3_HDMI1 on L3_PWR (split plane): 50 vertices, not listed, extent 43559.47,42291.75 43889.35,43033.05
GND on L5_GND (split plane): 120 vertices, not listed, extent 40218.39,41240.08 44125.08,43759.46

## Keep-outs
L2_GND:
  drawing of 479 lines, arcs and shapes, not listed
L3_PWR:
  drawing of 356 lines, arcs and shapes, not listed
L5_GND:
  drawing of 483 lines, arcs and shapes, not listed